# Altium PCB Interface_board.PcbDoc (part 1 of 3)
Units mm, origin at the board's own origin, x right, y up, seen from the top; angles counter-clockwise.
Board outline 158 x 108 mm, 4 copper layers (Component Side, GND, Power plane, Solder Side), stack 1.426 mm thick; 260 components, 154 nets, 862 pads, 877 vias.
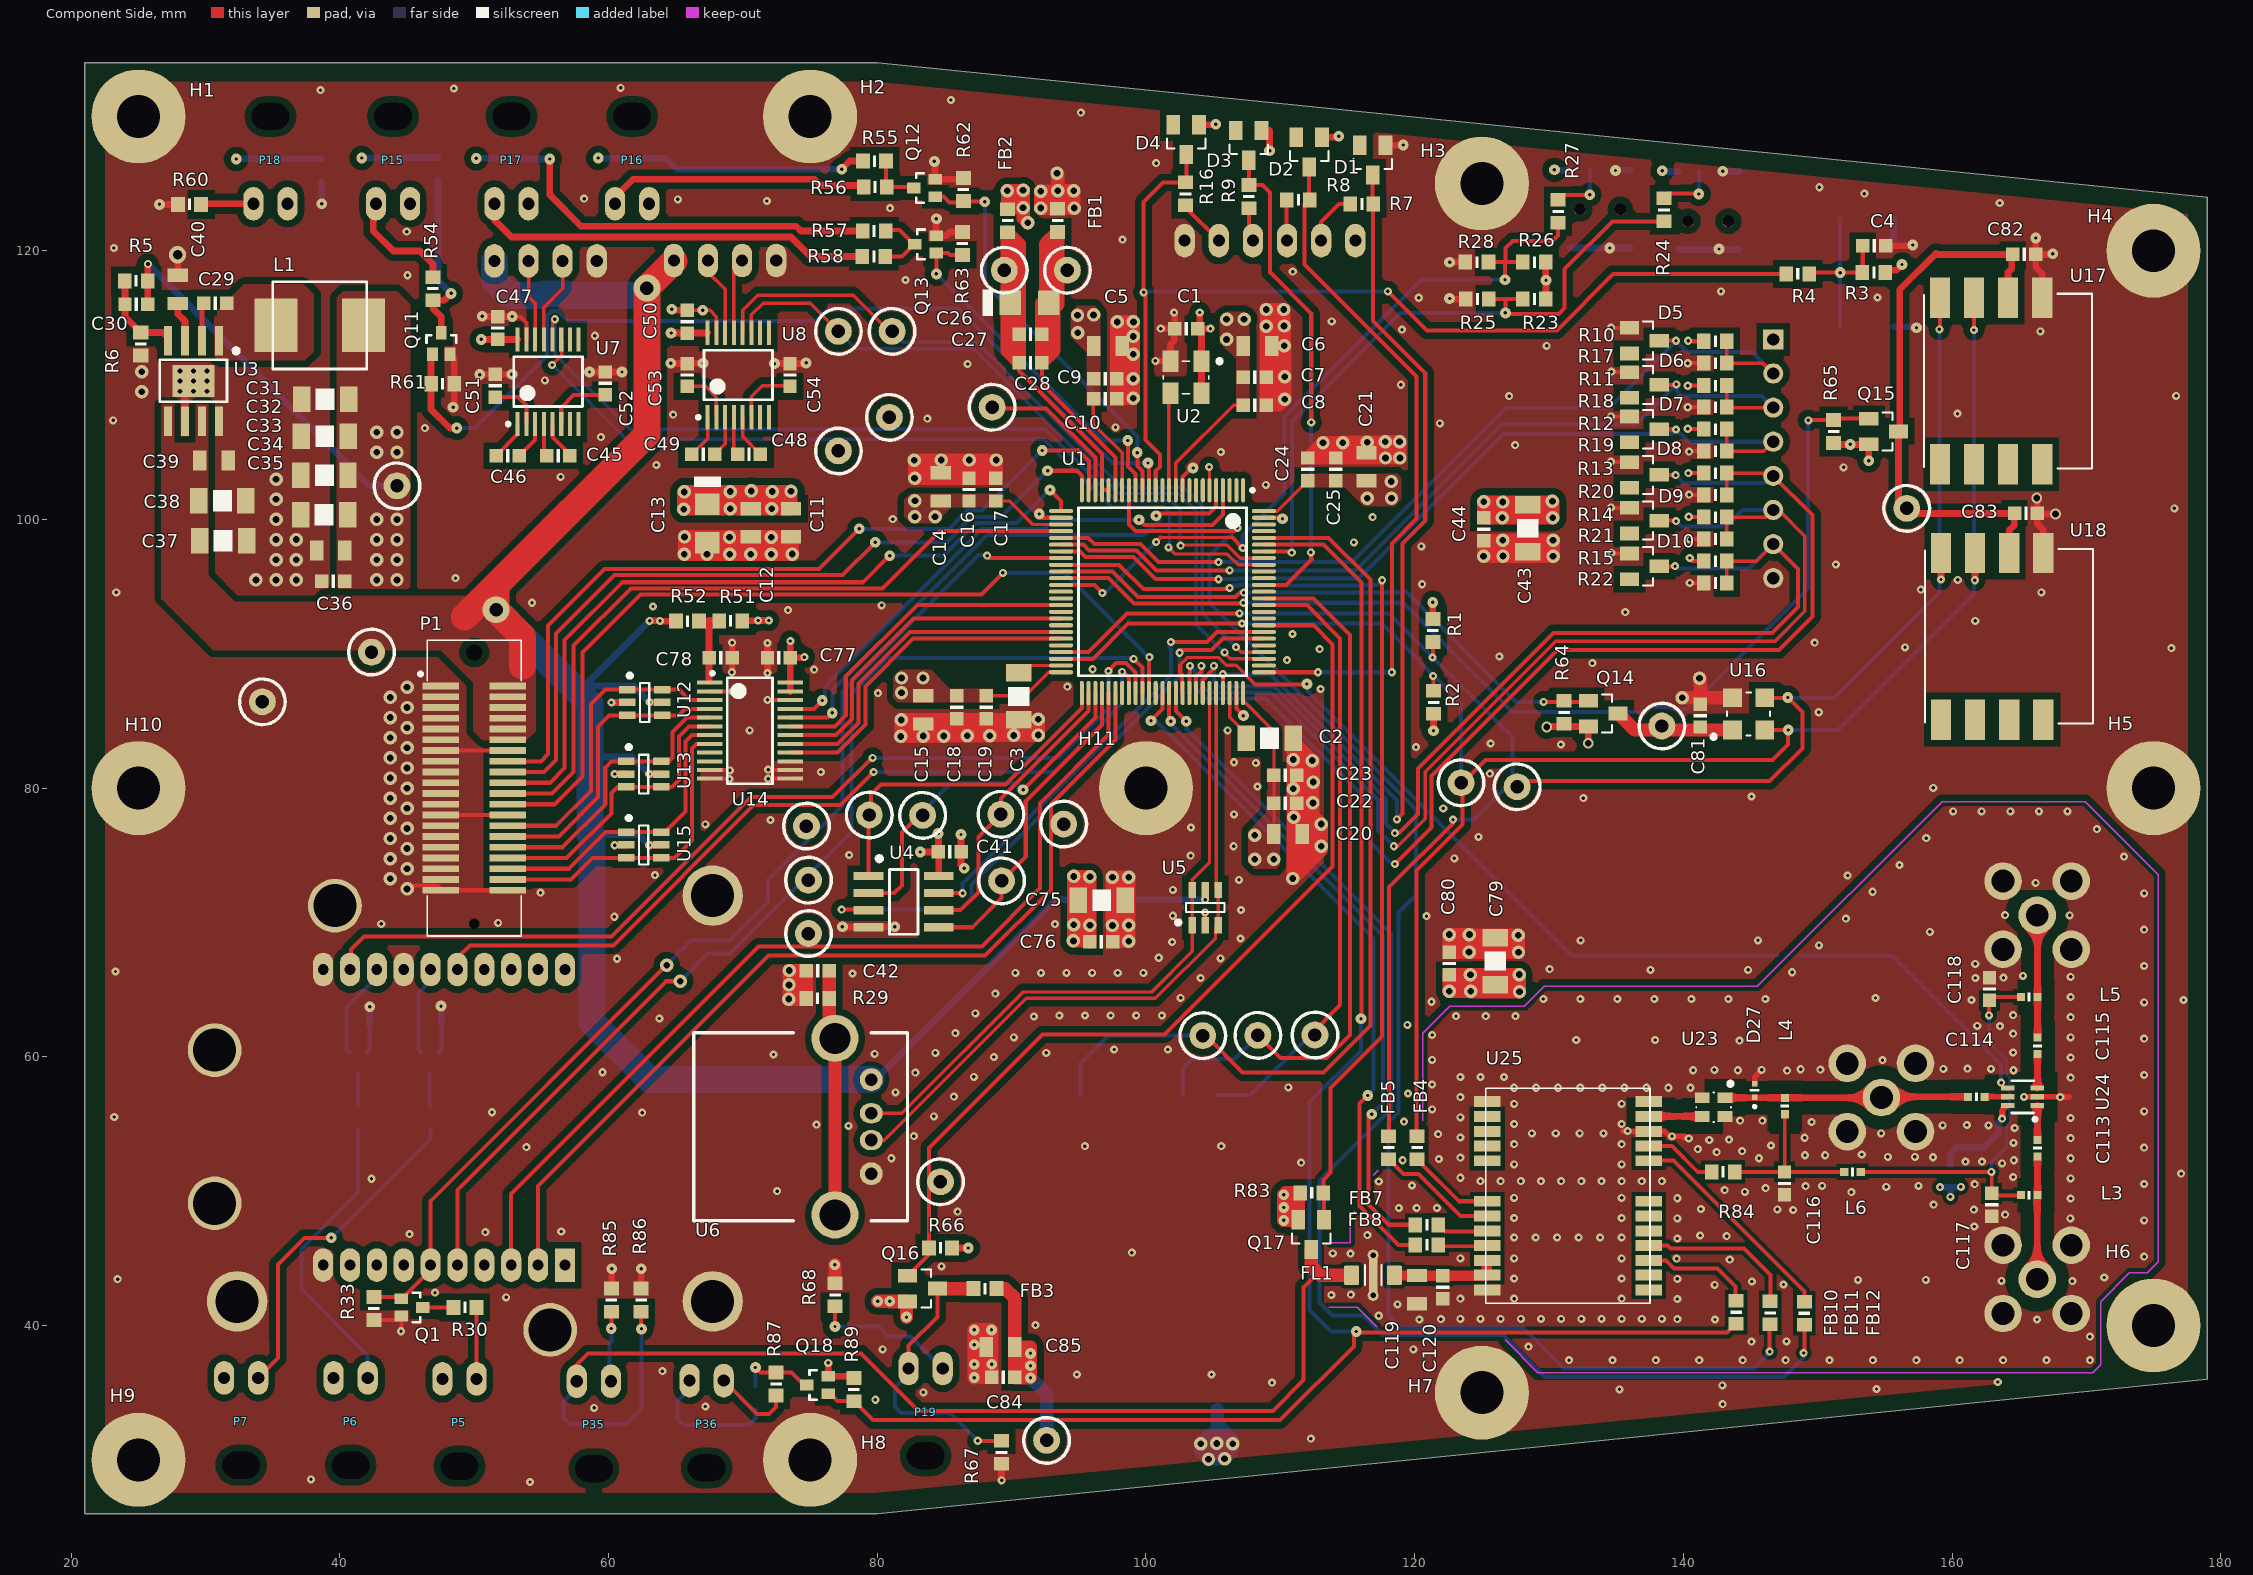
[diagram p0: Component Side view]
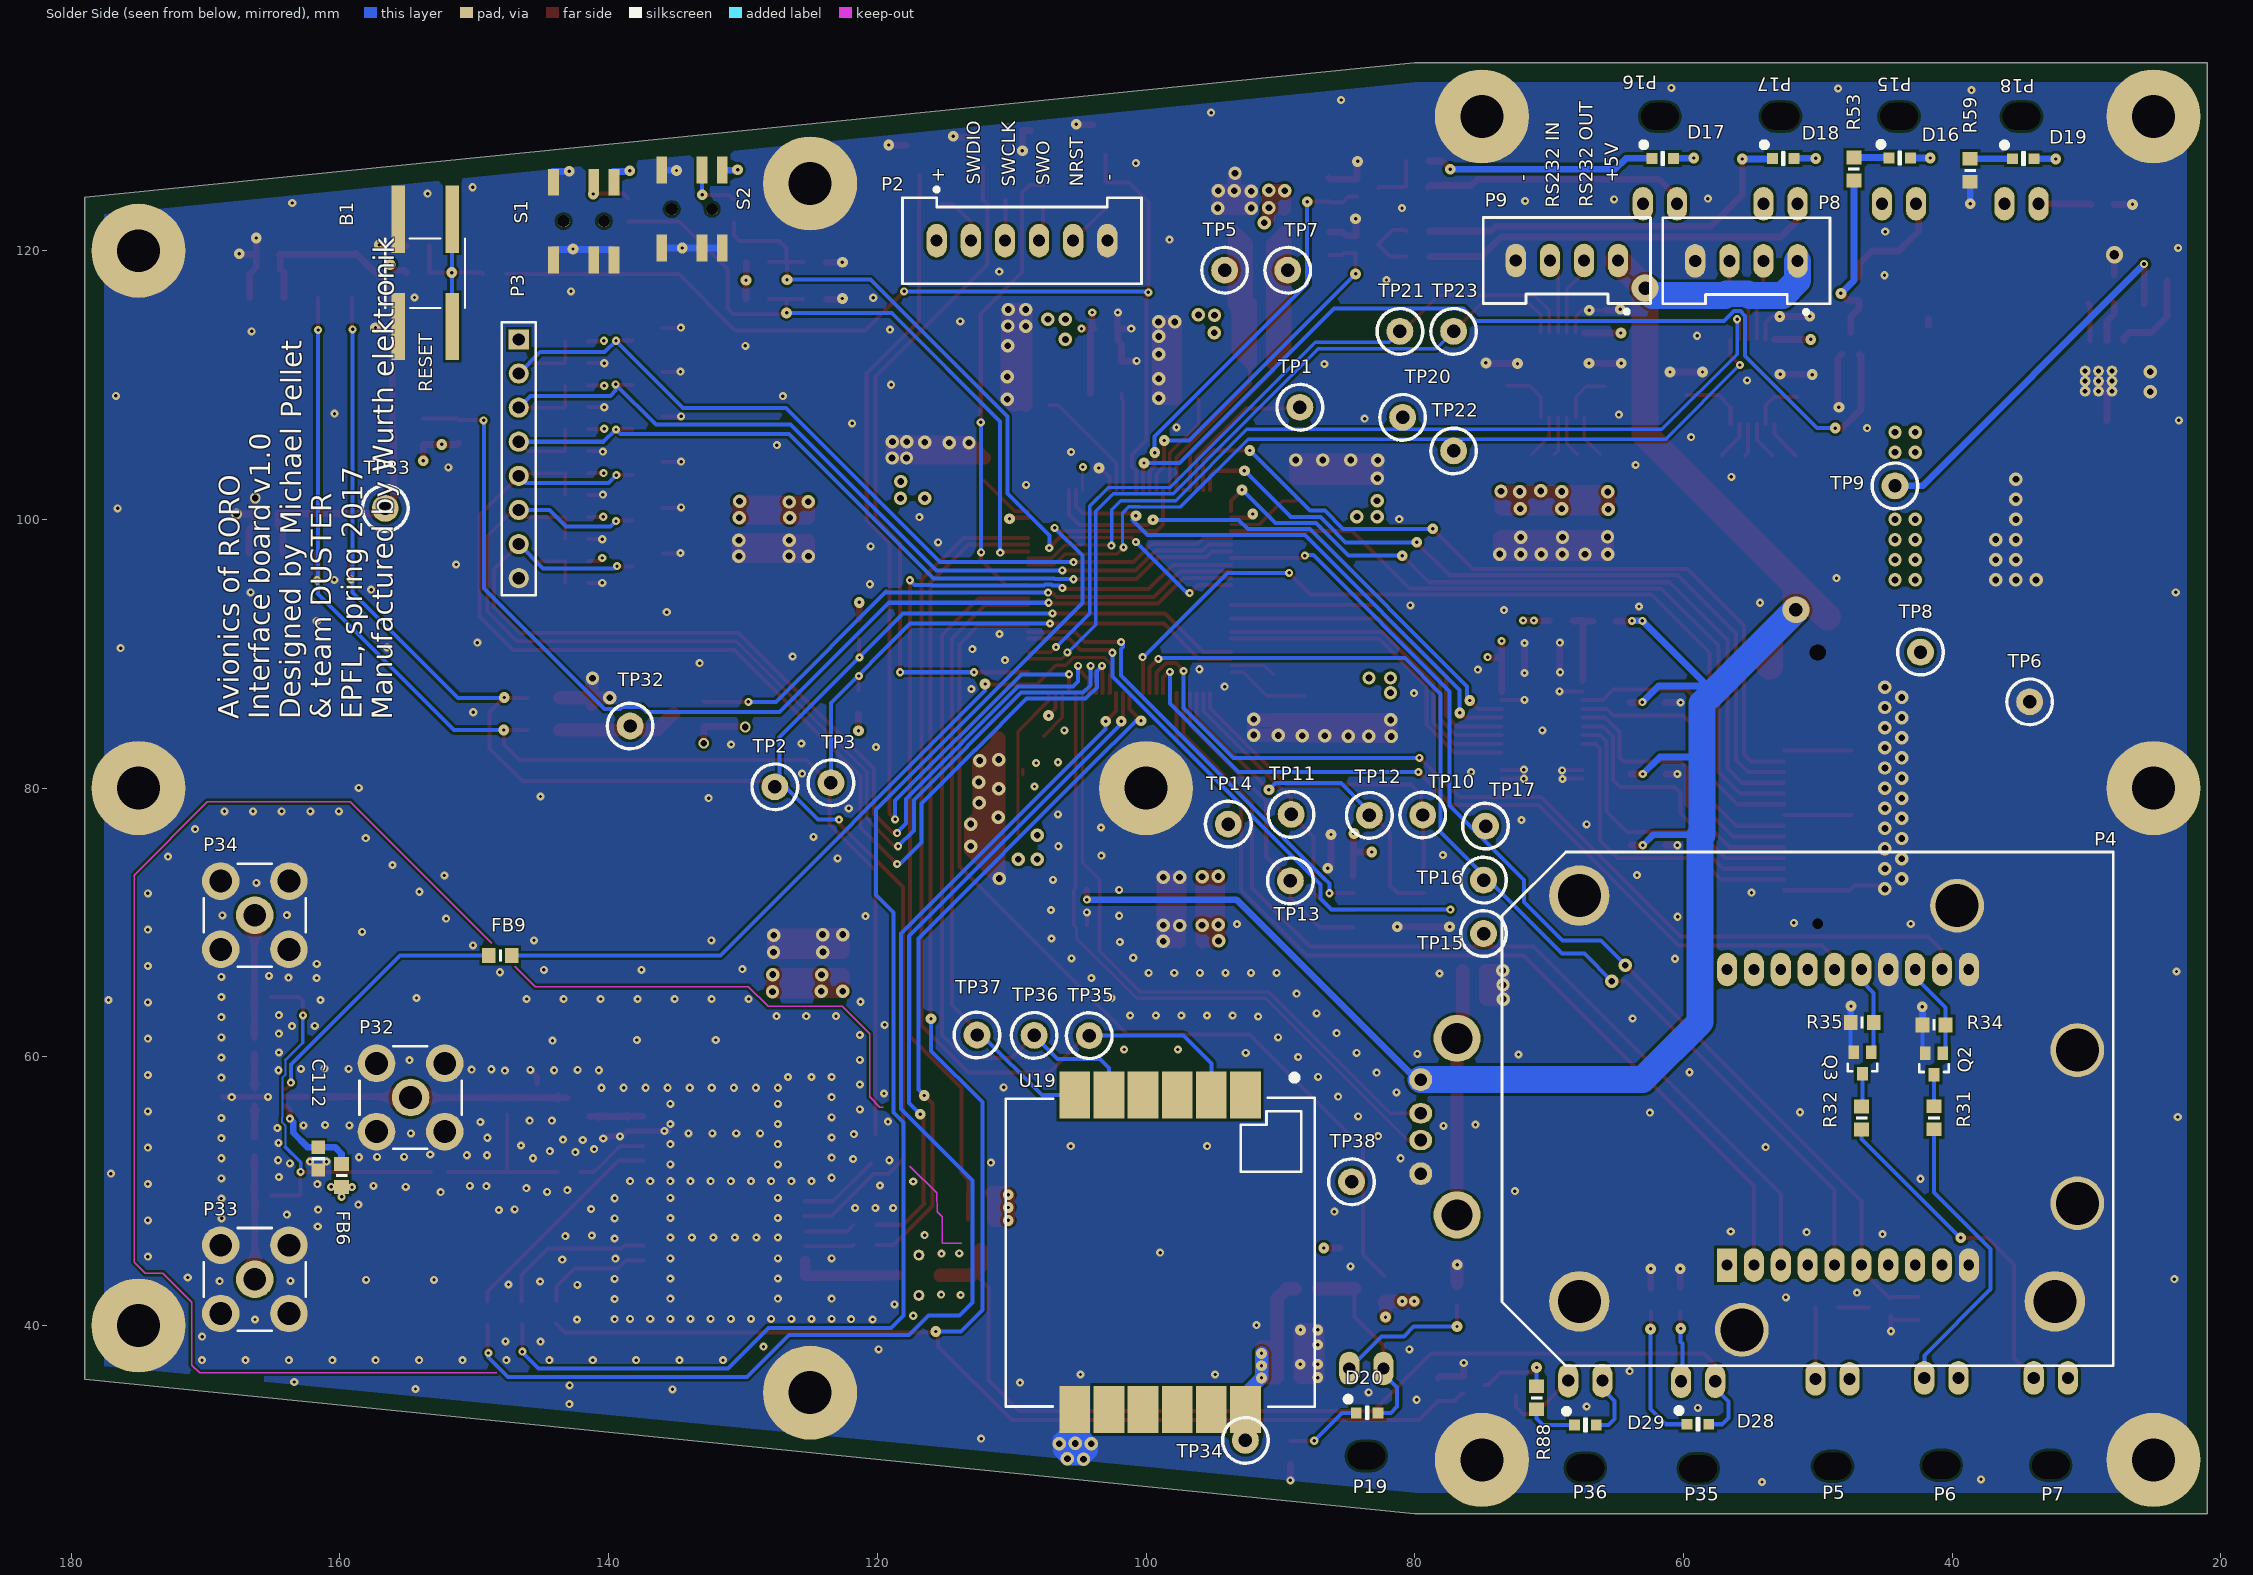
[diagram p1: Solder Side view, seen from below]
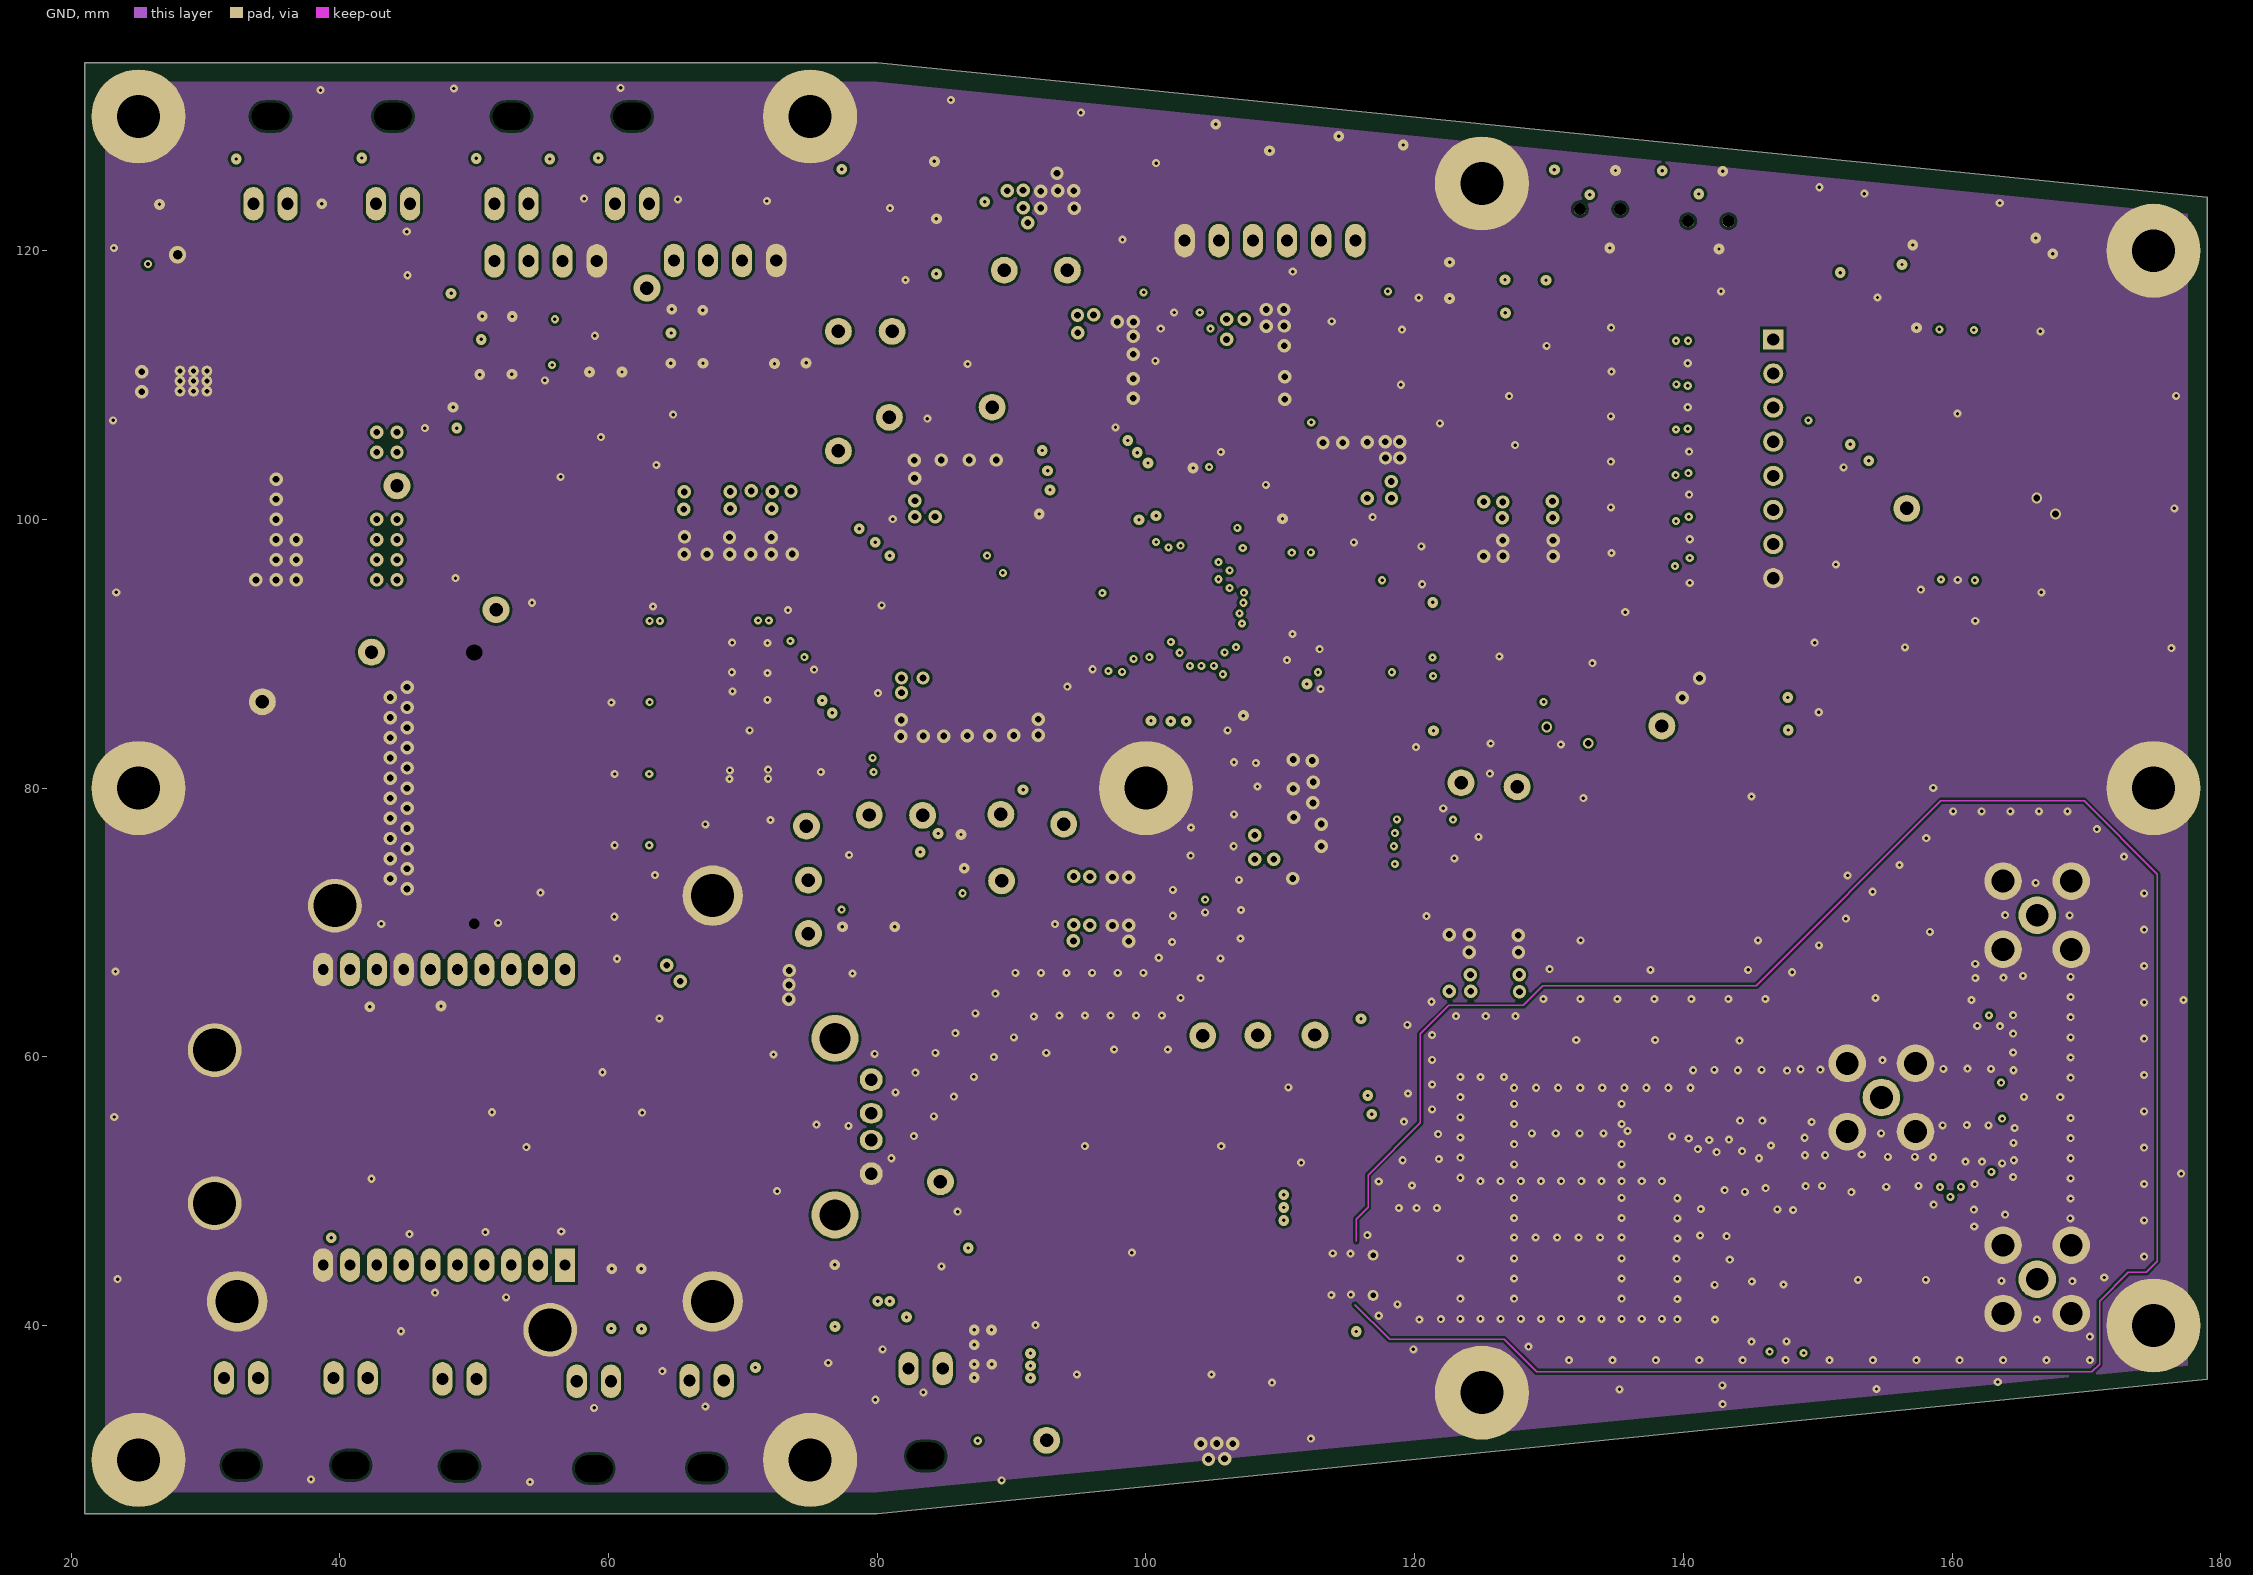
[diagram p2: GND]
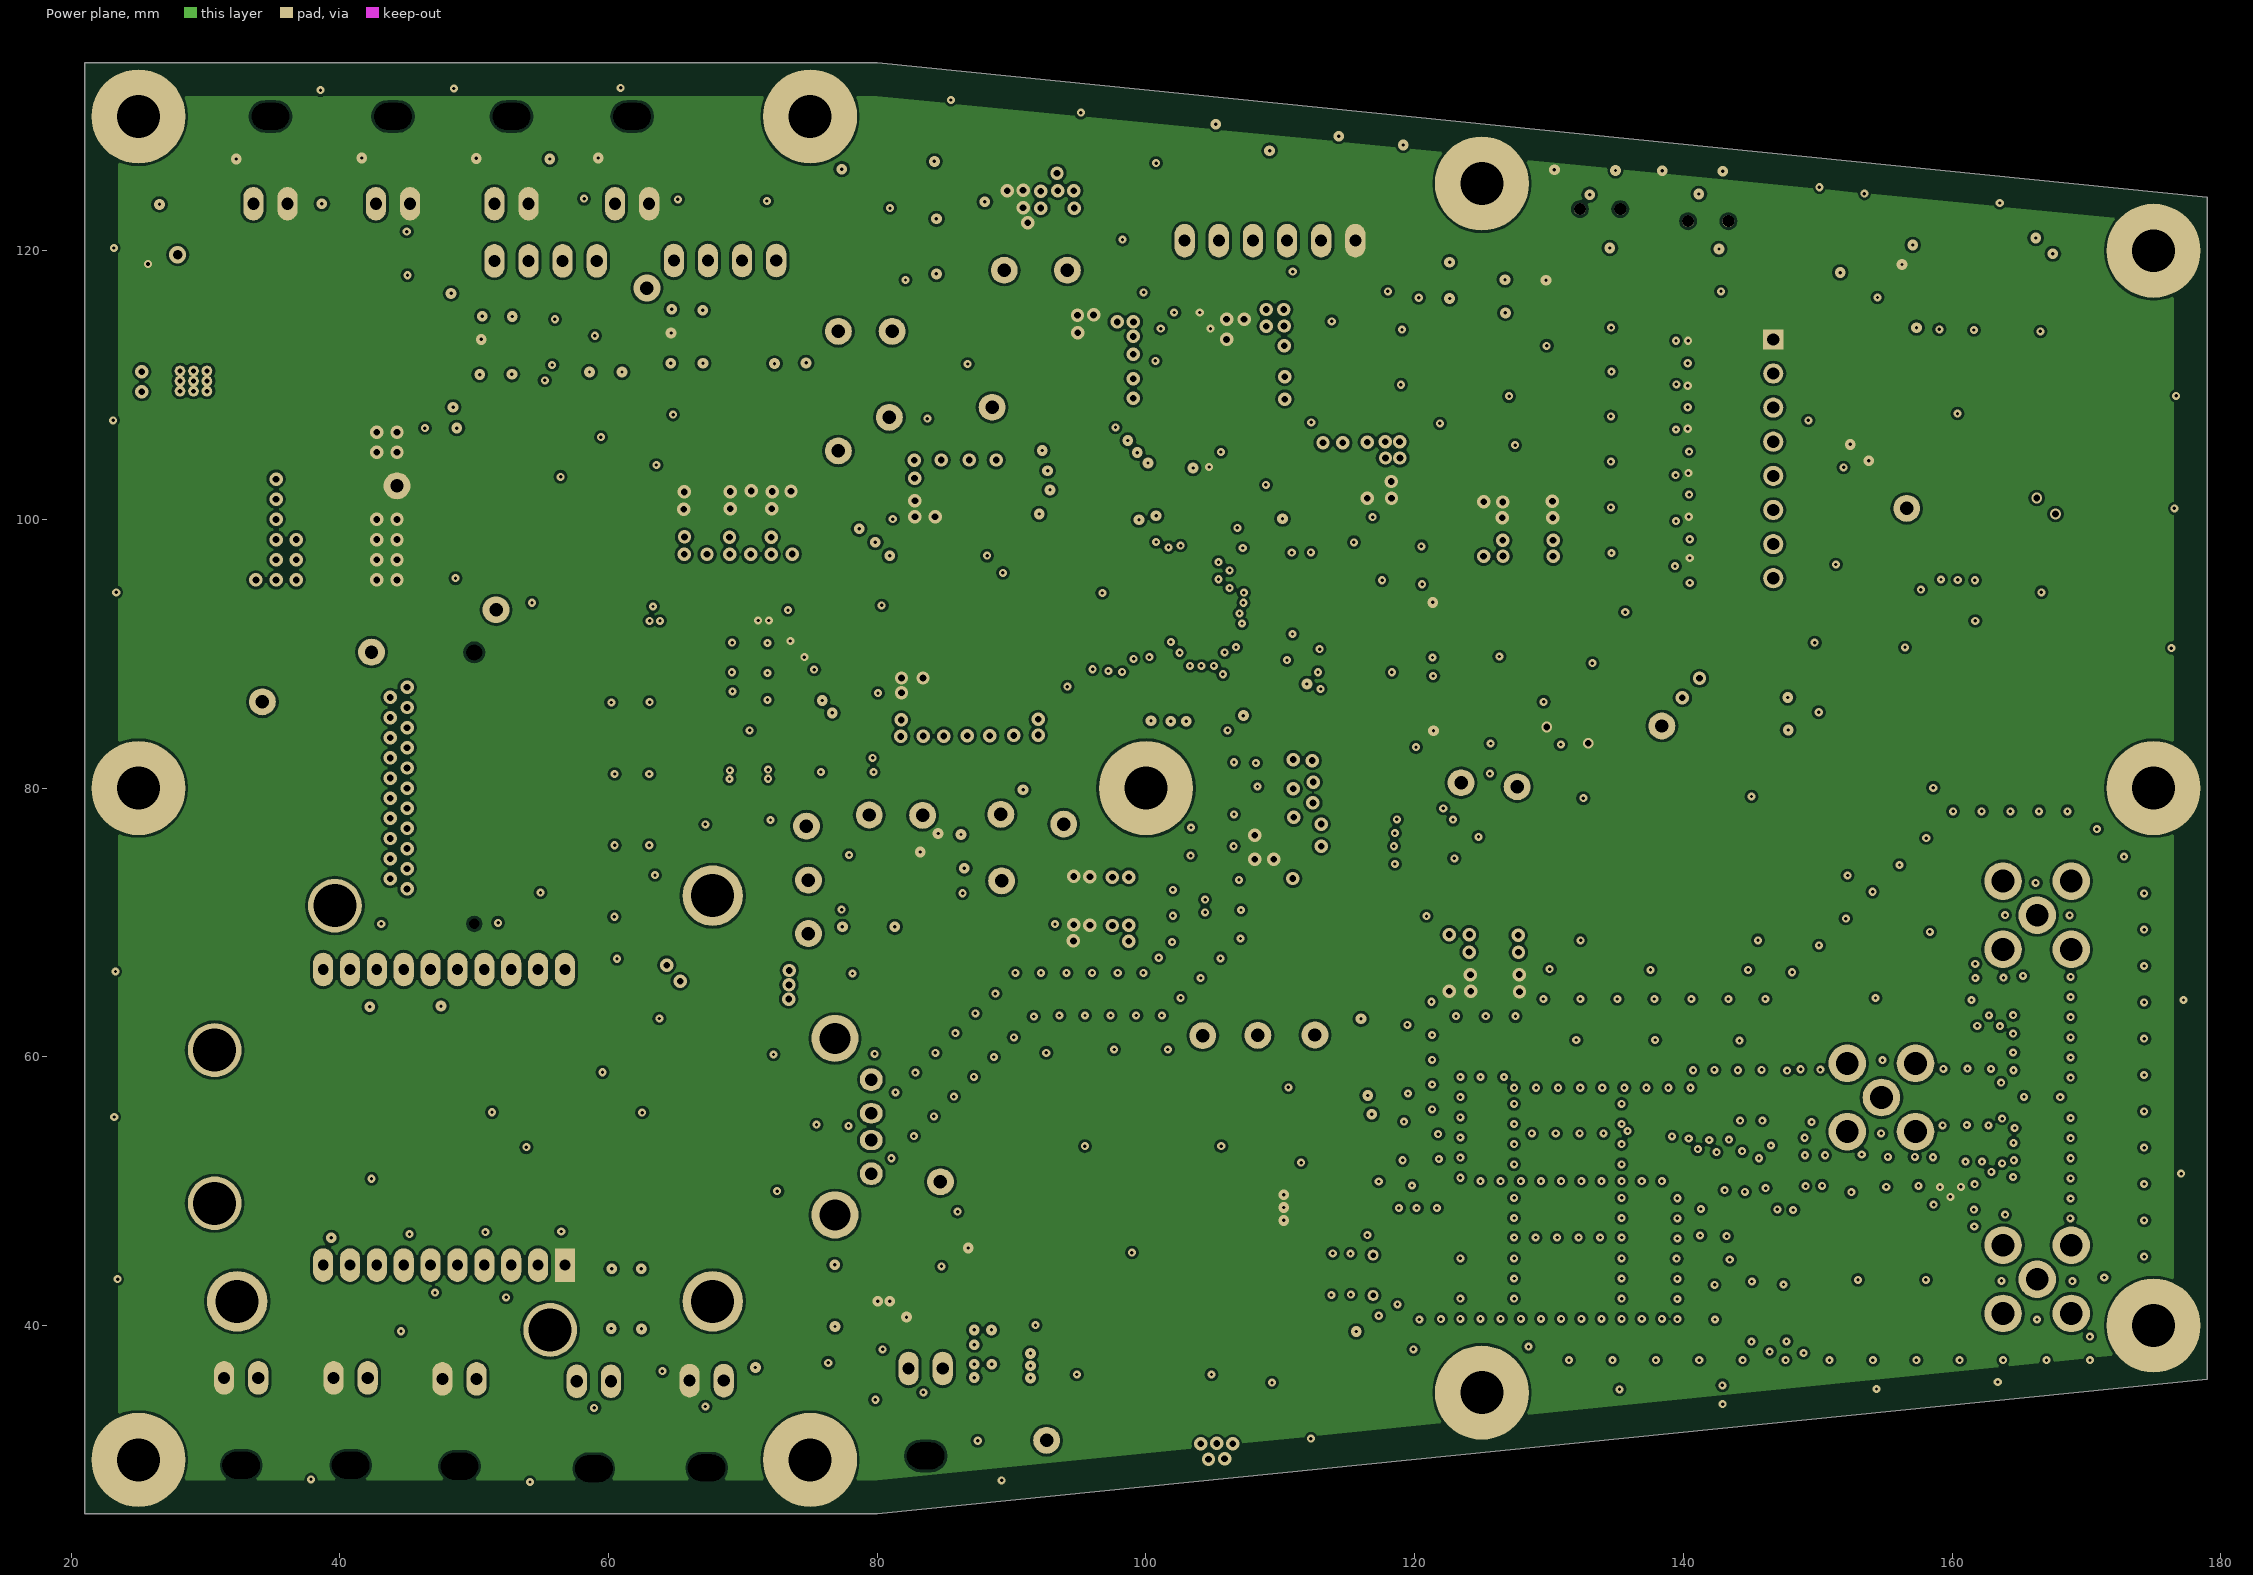
[diagram p3: Power plane]

## Layer stack, top to bottom
Top Solder: solder mask 0.01, Solder Resist, Dk 3.5
Component Side: signal copper 0.035
Dielectric 1: prepreg 0.288, FR-4, Dk 4.5
GND: signal copper 0.035
Dielectric 4: core 0.71, FR-4, Dk 4.5
Power plane: signal copper 0.035
Dielectric 3: prepreg 0.288, FR-4, Dk 4.5
Solder Side: signal copper 0.035
Bottom Solder: solder mask 0.01, Solder Resist, Dk 3.5

## Board outline
21,26 21,134 80,134 179,124 179,36 80,26

## Design rules (kind name [scope] priority, off if disabled: settings)
BoardOutlineClearance [All] p1: gap=0.25
Clearance Clearance_3 [InNamedPolygon('GNSS_GND_1')] p1: gap=0.15 except(0: Fill-Poly Fill-Region Poly-Poly Poly-Region Region-Region; 0.3: Arc-Poly Arc-Region Track-Poly Track-Region SMDPad-Poly SMDPad-Region THPad-Poly THPad-Region Via-Poly Via-Region)
Clearance Clearance_2 [InNamedPolygon('GND_PLANE') or InNamedPolygon('VDD_PLANE') or InNamedPolygon('GND_L02_P040')] p2: gap=0.15 except(0.2: Arc-Poly Arc-Region Track-Poly Track-Region SMDPad-Poly SMDPad-Region THPad-Poly THPad-Region Via-Poly Via-Region Fill-Poly Fill-Region Poly-Poly Poly-Region Region-Region)
Clearance Clearance_1 [InNamedPolygon('GND_GNSS_50ohm')] p3: gap=0.15 except(0: Fill-Poly Fill-Region Poly-Poly Poly-Region Region-Region; 1: Arc-Poly Arc-Region Track-Poly Track-Region SMDPad-Poly SMDPad-Region THPad-Poly THPad-Region Via-Poly Via-Region)
Clearance [All] p4: gap=0.15 except(0.5: Arc-Poly Arc-Region Track-Poly Track-Region SMDPad-Poly SMDPad-Region THPad-Poly THPad-Region Via-Poly Via-Region Fill-Poly Fill-Region Poly-Poly Poly-Region; 1: Region-Region)
HoleSize [All] p1: absolutevalues=TRUE maxlimit=6.5 minlimit=0.25 maxpercent=80.000 minpercent=20.000
HoleToHoleClearance [All] p1: gap=0.4 allowstackedmicrovias=TRUE
MinimumAnnularRing [All] p1: minimumring=0.14
MinimumSolderMaskSliver [All] p1: minsoldermaskwidth=0.11
PlaneClearance [All] p1: clearance=0.5
PlaneConnect [All] p1: planeconnectstyle=Direct reliefexpansion=0.508 reliefentries=4 reliefconductorwidth=0.254 reliefairgap=0.15
PolygonConnect [All] p1: connectstyle=Direct reliefconductorwidth=0.254 reliefentries=4 polygonreliefangle="90 Angle" airgapwidth=0.2
RoutingVias [All] p1: holewidth=0.4 width=0.8 viastyle="Through Hole" minholewidth=0.25 minwidth=0.6 maxholewidth=1 maxwidth=2
SilkToSilkClearance [All] p1: silktosilkclearance=0
SilkToSolderMaskClearance [IsPad] p1: minsilkscreentomaskgap=0.11 clearancetoexposedcopper=FALSE
SolderMaskExpansion SolderMaskExpansion_1 [IsVia] p1: expansion=0.15
SolderMaskExpansion [All] p2: expansion=0.102
Width [All] p1: maxlimit=10 minlimit=0.15 preferedwidth=0.5
23 further rules are at their usual default settings.

## Classes and differential pairs
component class 1.1.0_Interface_board: P1
component class U_1: C55 C56 C79 C80 C81 C82 C83 C84 C85 C? D20 FB3 FB? P19 Q14 Q15 Q16 R64 R65 R66 R67 R68 TP32 TP33 TP34 TP35 TP36 TP37 TP38 TP? U10 U16 U17 U18 U19 U?
